# Altium PCB rf_detector.PcbDoc (part 1 of 3)
Units mm, origin at the board's own origin, x right, y up, seen from the top; angles counter-clockwise.
Board outline 79.5 x 159.5 mm, 4 copper layers (Top Layer, GND, Inner Layer 2, Bottom Layer), stack 1.546 mm thick; 329 components, 231 nets, 937 pads, 642 vias.
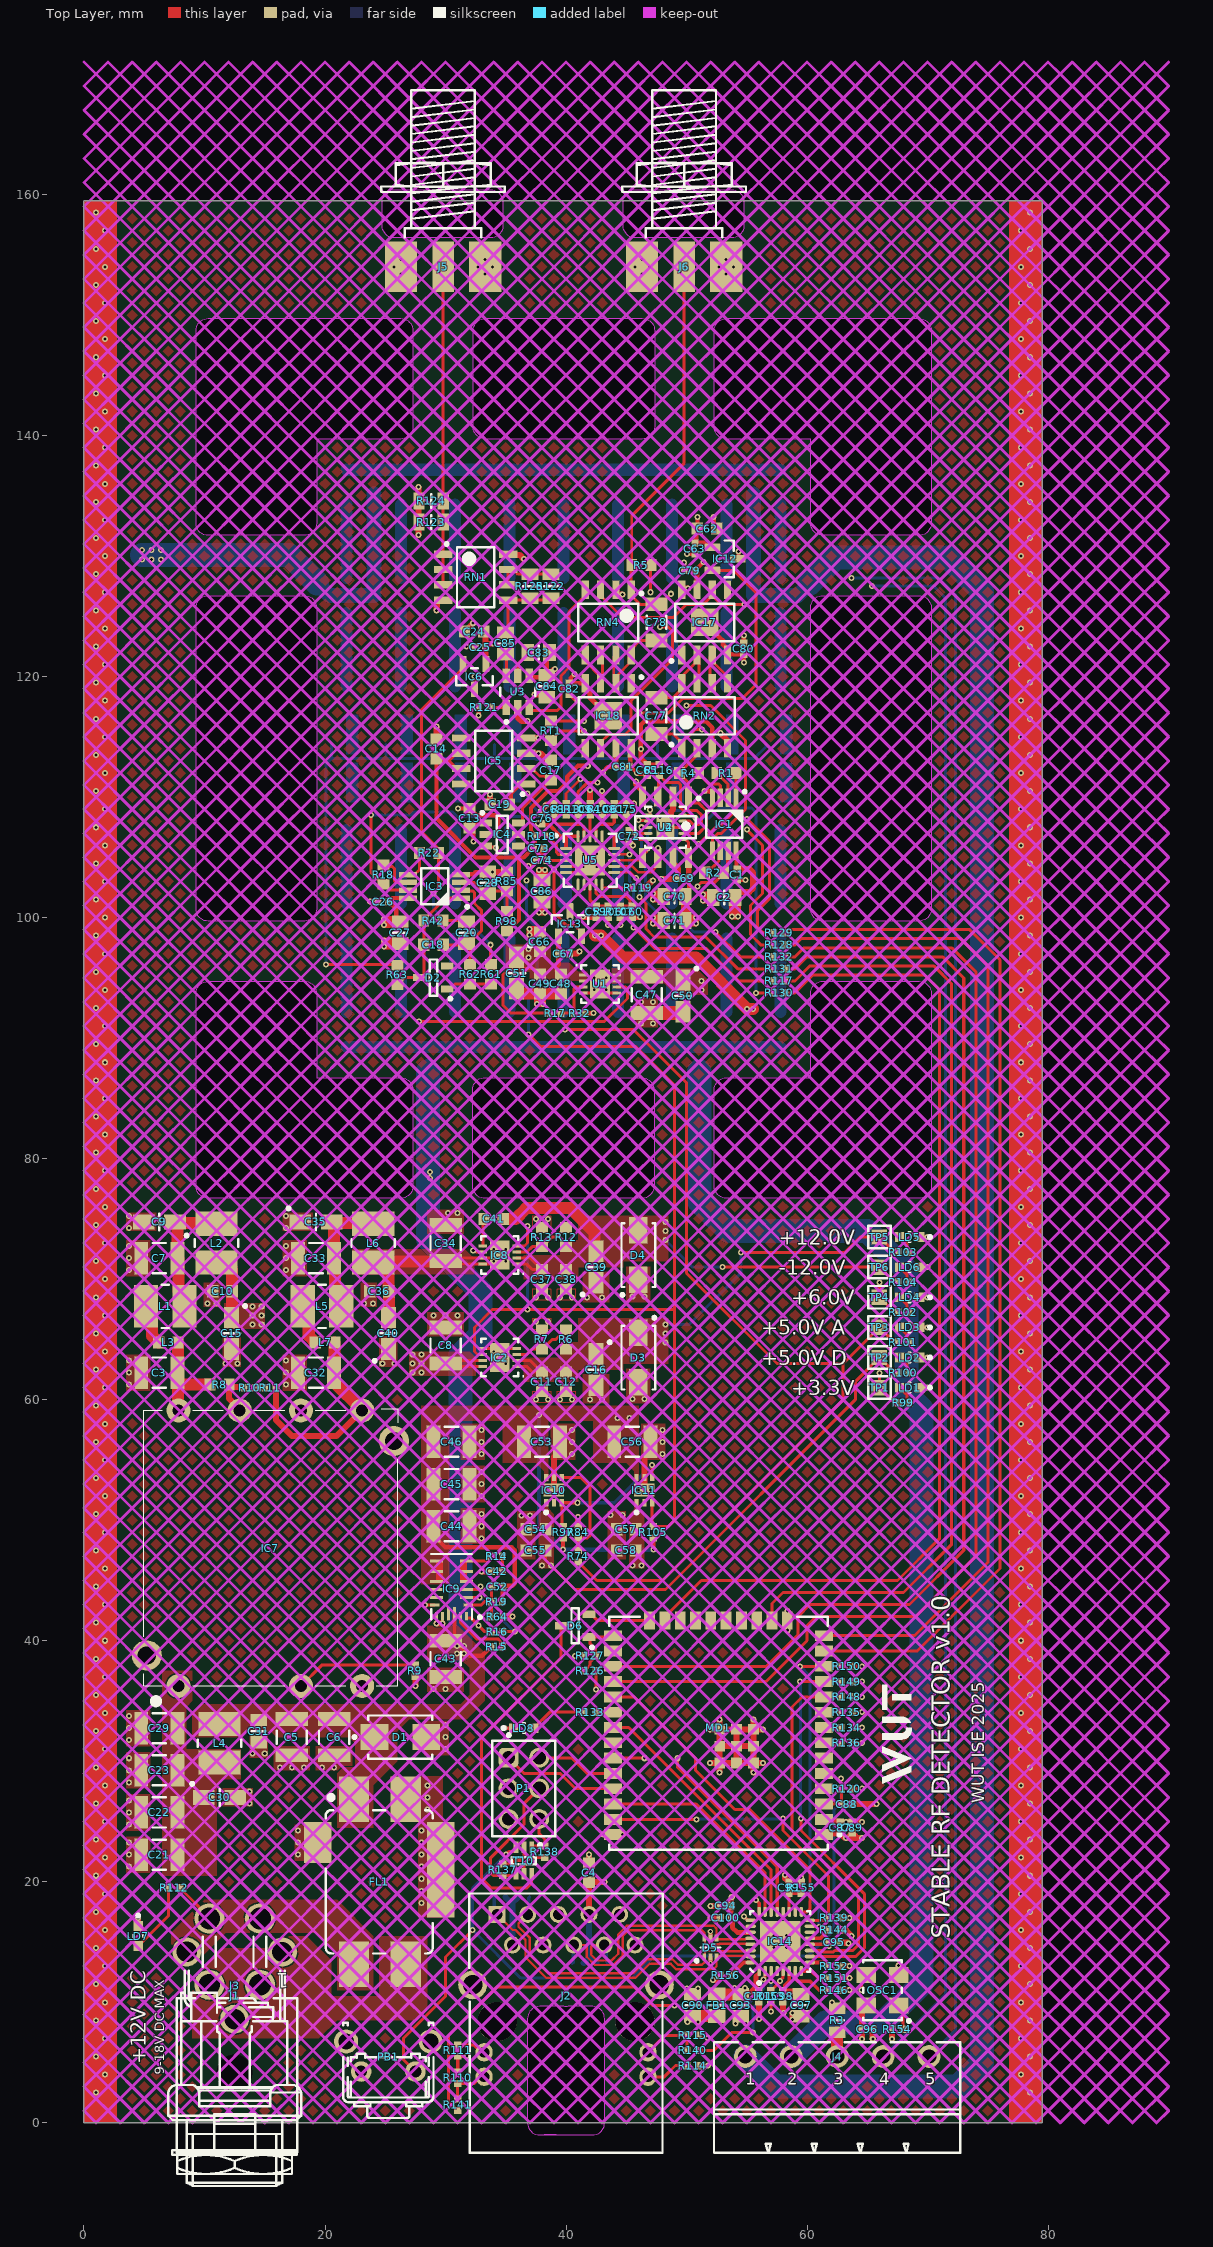
[diagram p0: Top Layer view]
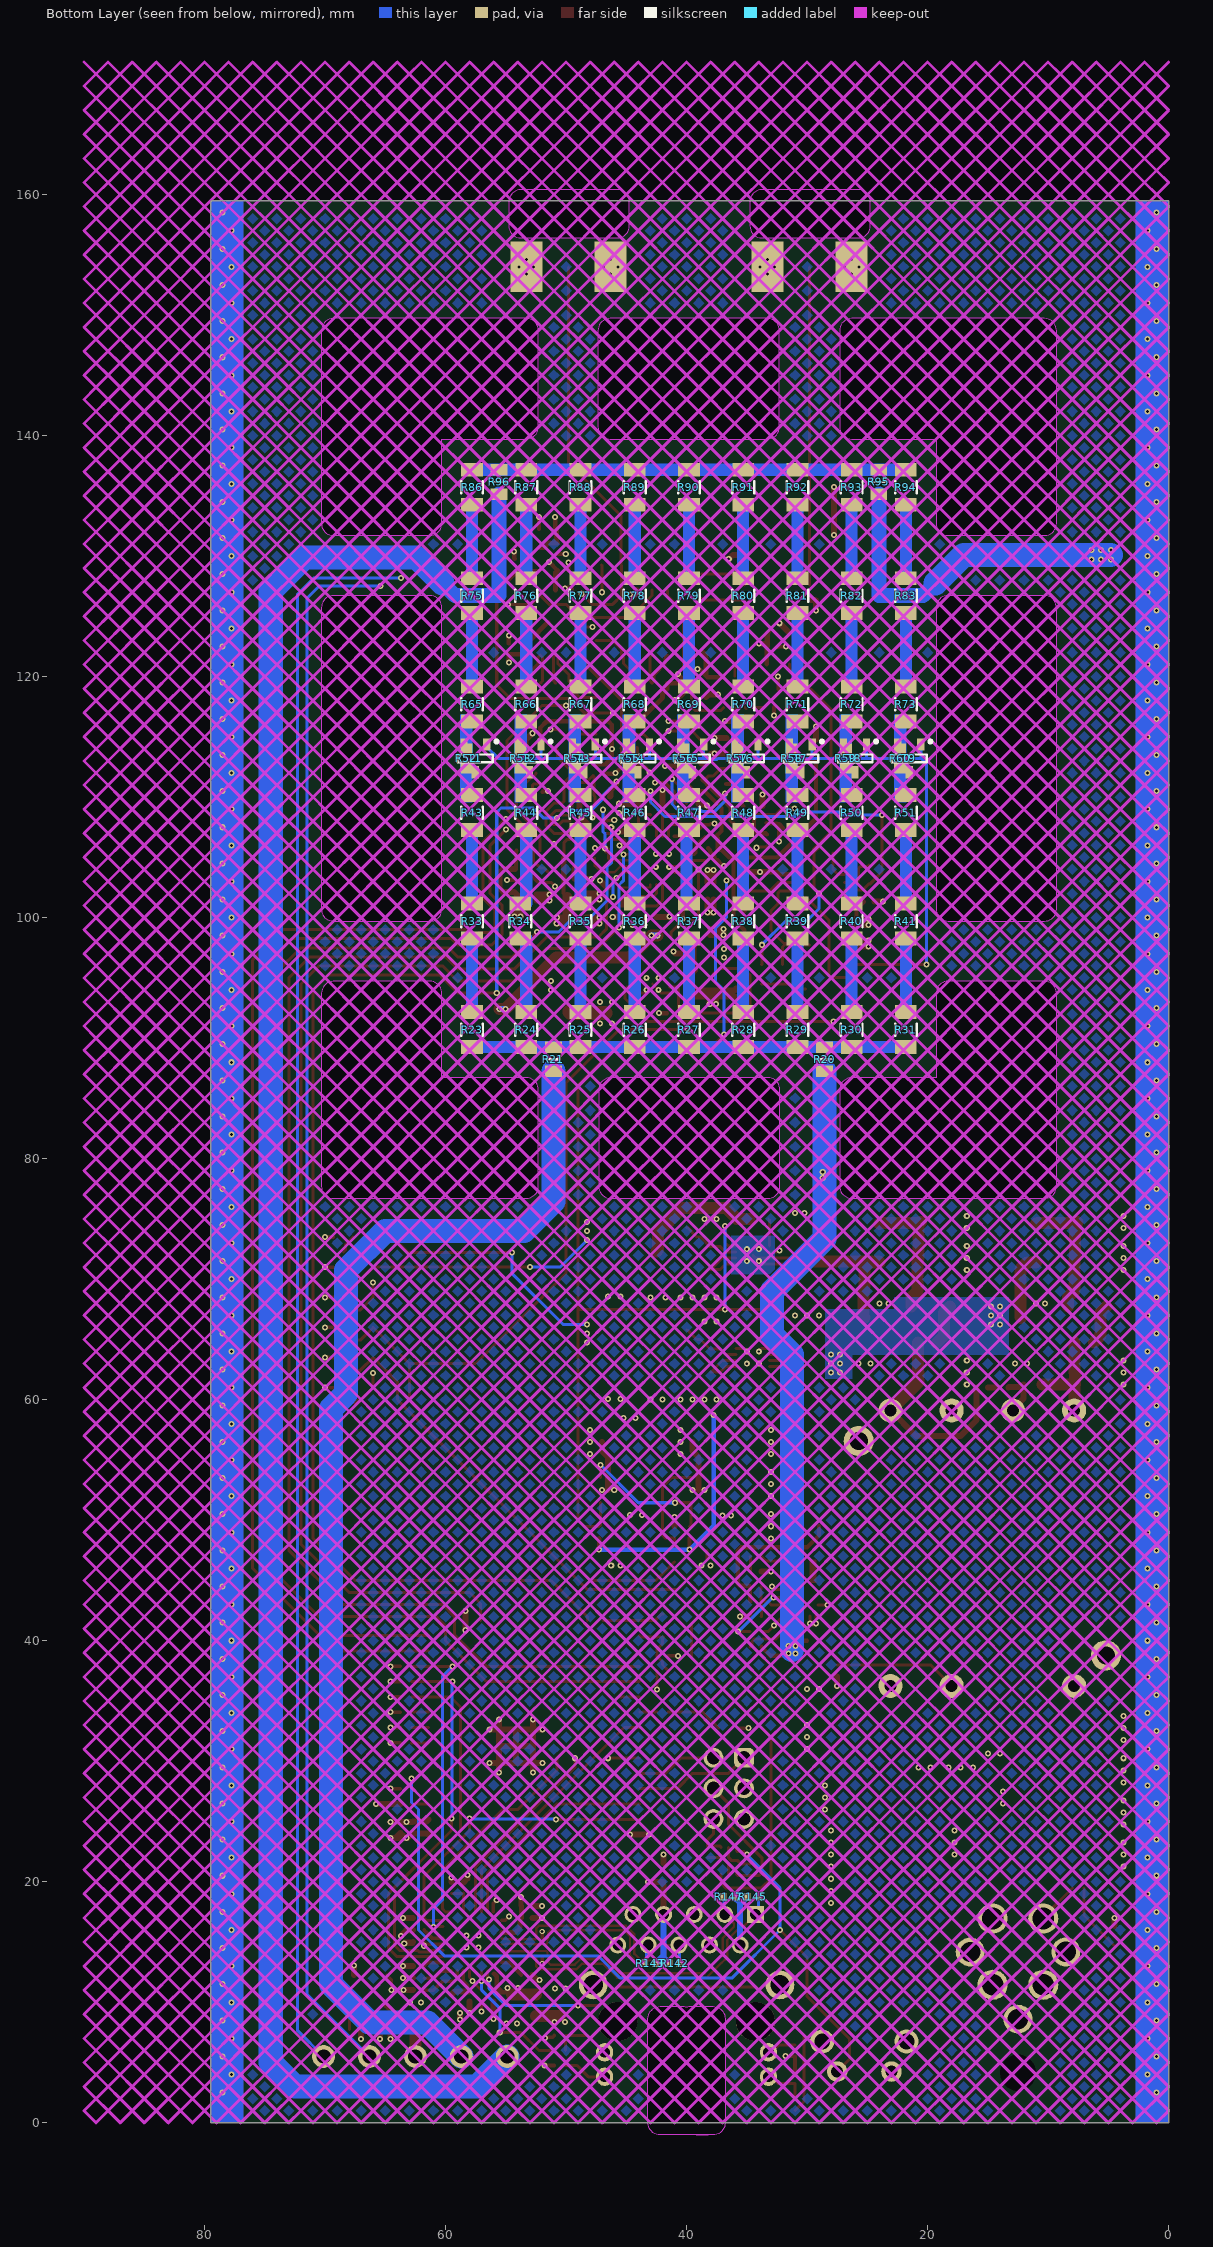
[diagram p1: Bottom Layer view, seen from below]
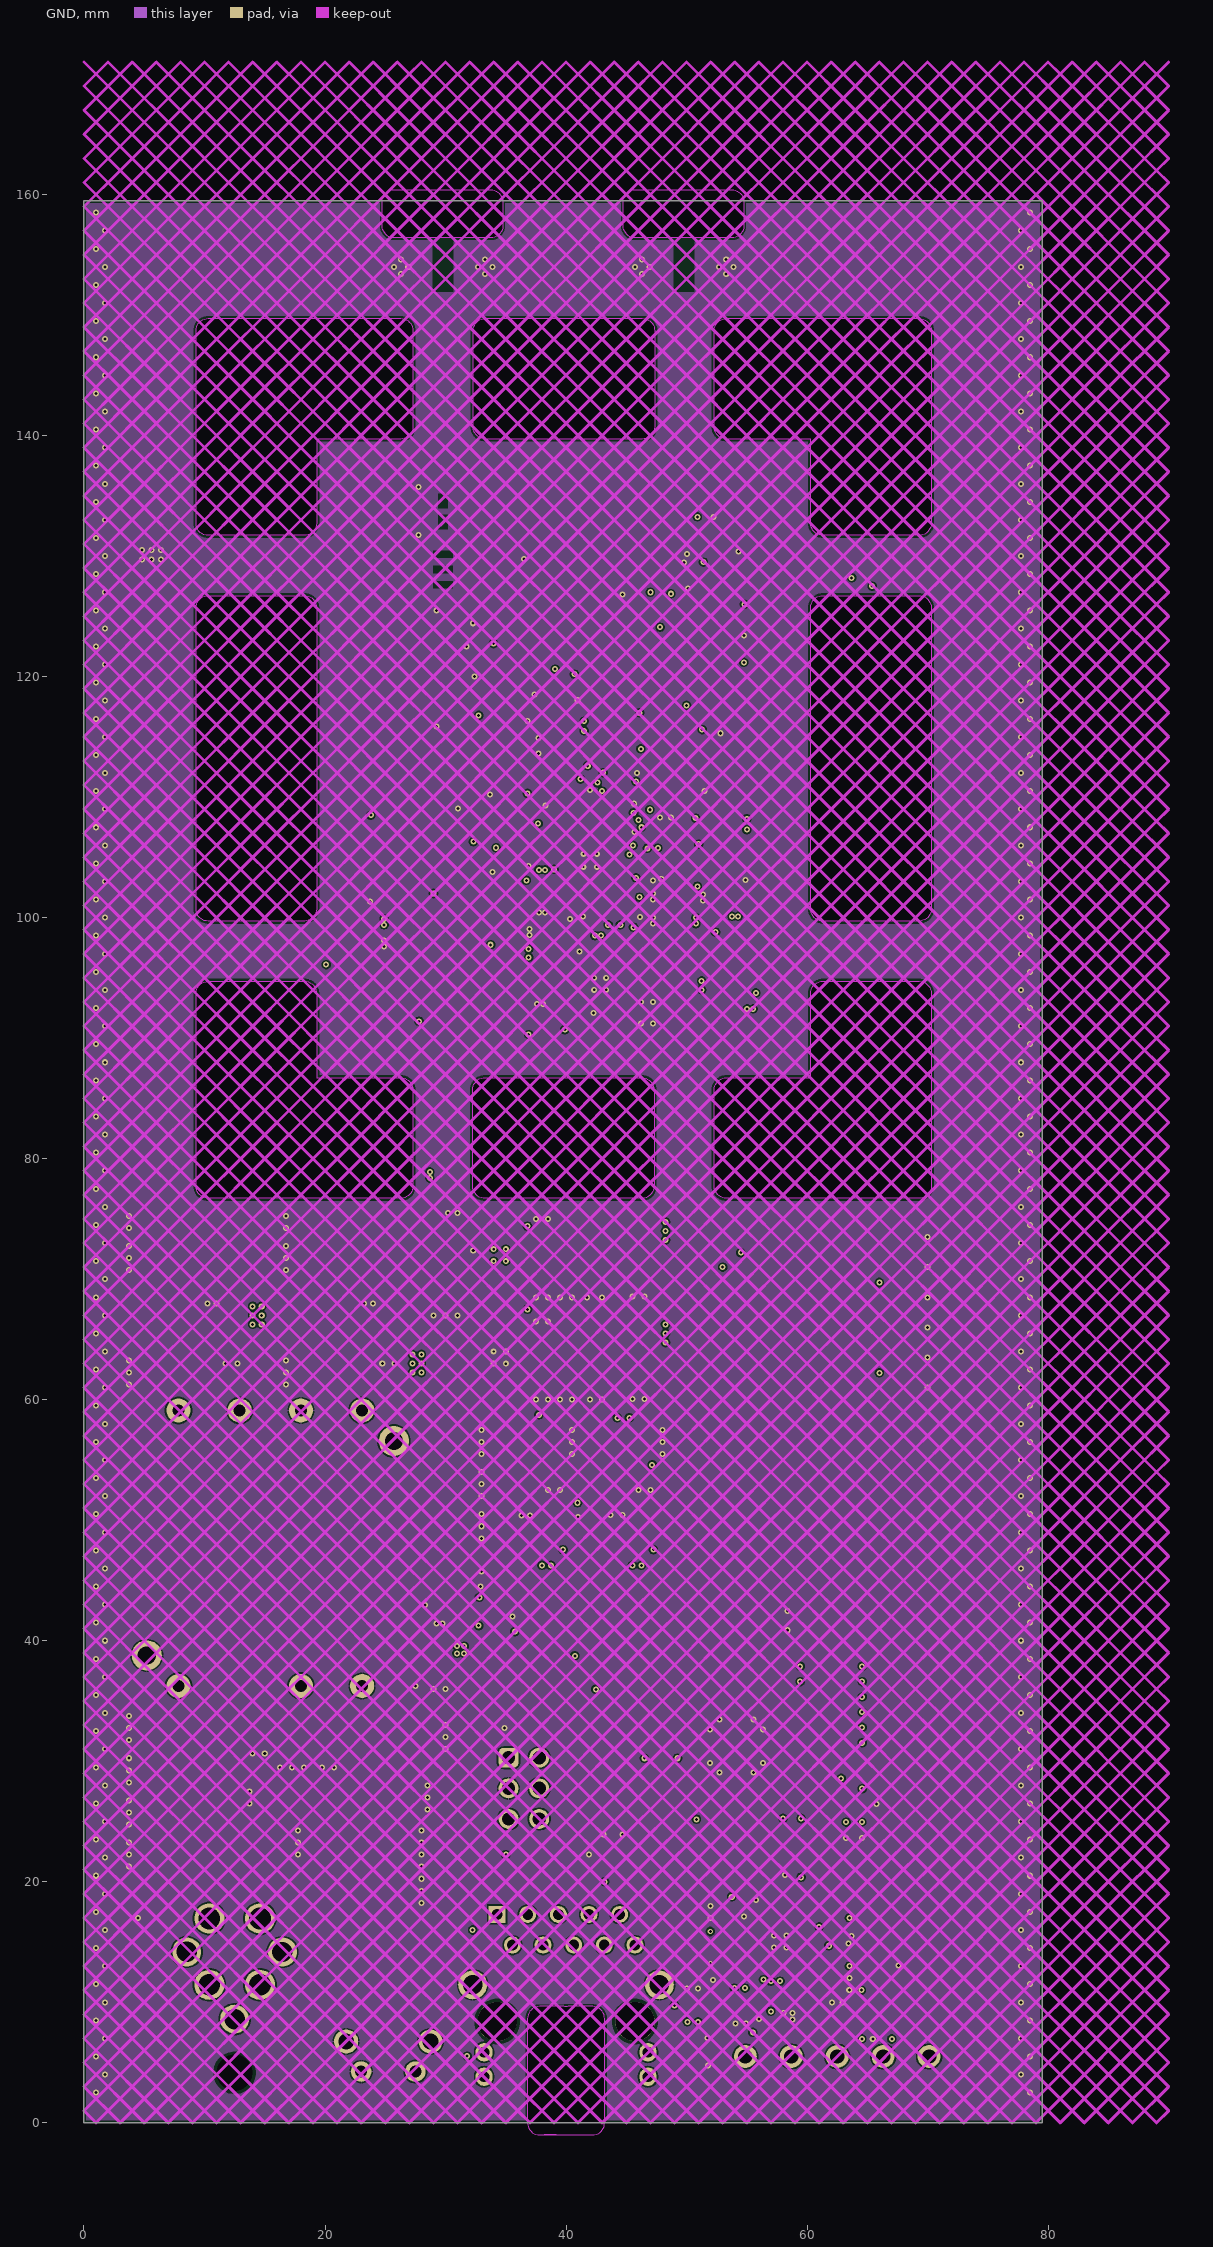
[diagram p2: GND]
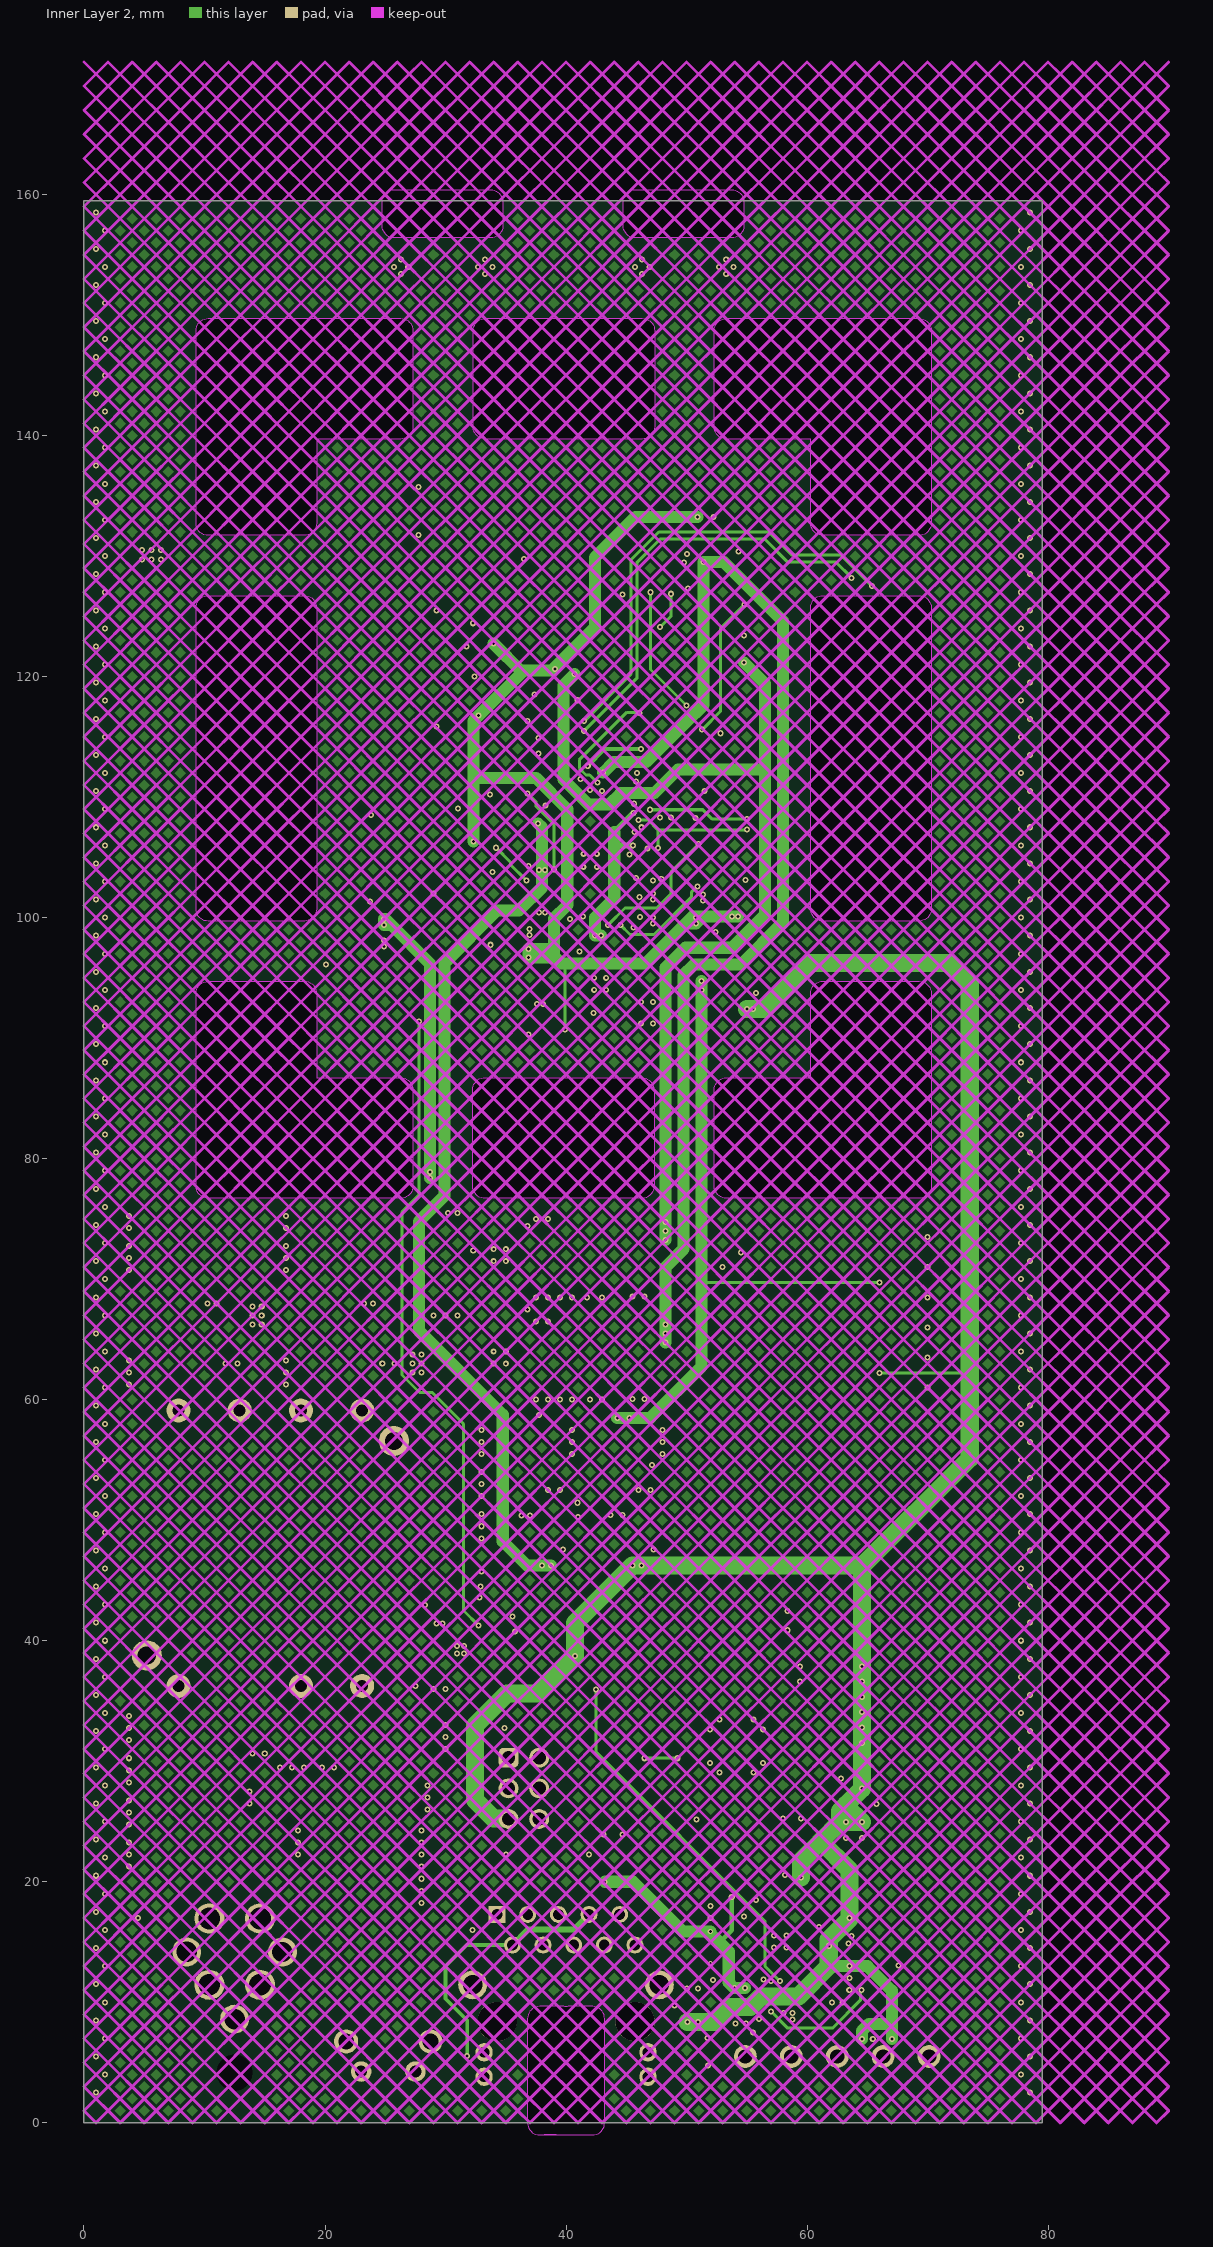
[diagram p3: Inner Layer 2]
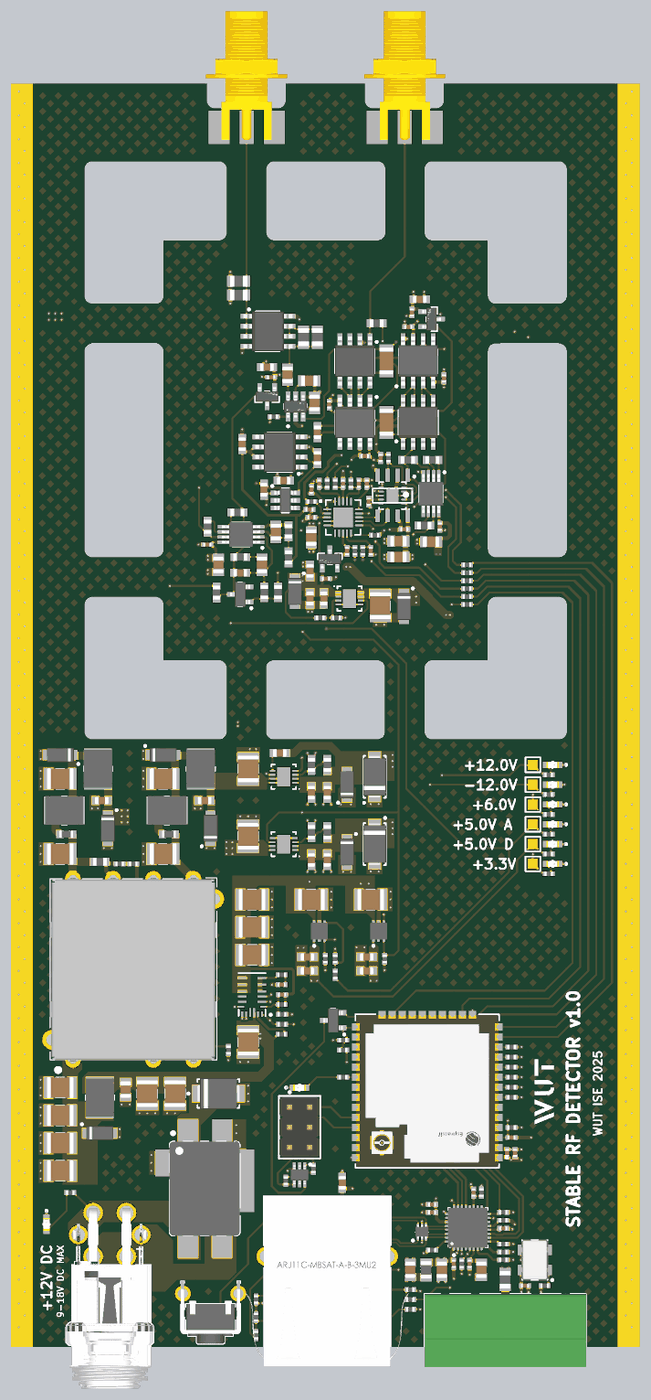
[diagram p6: 3D render of the assembled board from above, using the file's embedded part models]
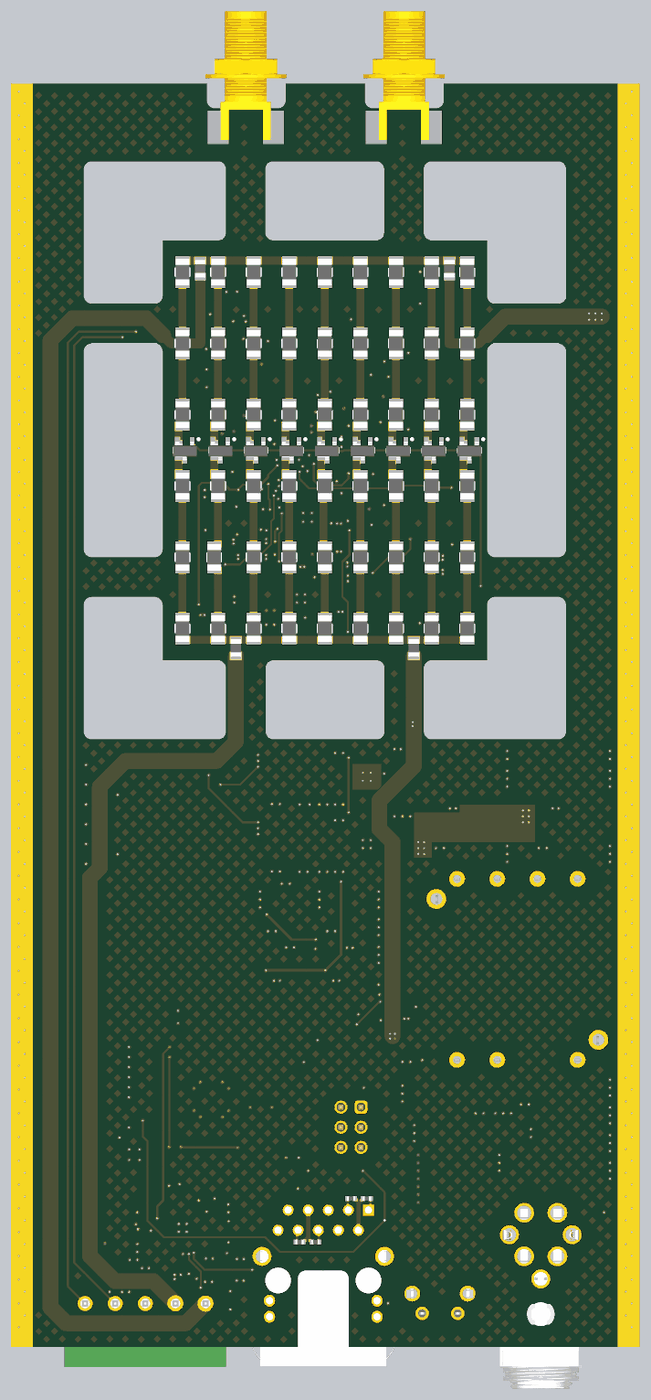
[diagram p7: 3D render of the assembled board from below, using the file's embedded part models]

## Layer stack, top to bottom
Top Solder: solder mask 0.0152, Solder Resist, Dk 3.8
Top Layer: signal copper 0.035
Dielectric 1: prepreg 0.138, PP-006, Dk 4.4
GND: signal copper 0.035
Core: dielectric 1.13, FR-4, Dk 4.6
Inner Layer 2: signal copper 0.035
Dielectric 3: prepreg 0.138, PP-006, Dk 4.4
Bottom Layer: signal copper 0.035
Bottom Solder: solder mask 0.0152, Solder Resist, Dk 3.8

## Board outline
0,0 0,159.5 79.5,159.5 79.5,0
cut-out: 9.853,99.82 cw(c10.3,100.715) 9.3,100.715 9.3,125.715 cw(c10.3,125.715) 10.3,126.715 18.3,126.715 cw(c18.3,125.715) 19.3,125.715 19.3,100.715 cw(c18.3,100.715) 18.3,99.715 10.3,99.715 cw(c10.3,100.715)
cut-out: 9.3,132.715 9.3,148.715 cw(c10.3,148.715) 10.303,149.715 16.302,149.715 26.3,149.715 cw(c26.3,148.715) 27.3,148.715 27.3,140.715 cw(c26.3,140.715) 26.3,139.715 19.3,139.715 19.3,132.715 cw(c18.3,132.715) 18.3,131.715 10.3,131.715 cw(c10.3,132.715)
cut-out: 32.3,140.715 32.3,142.717 32.3,146.714 32.3,148.715 cw(c33.3,148.715) 33.3,149.715 46.3,149.715 46.325,149.715 cw(c46.35,148.715) 47.35,148.715 47.35,140.715 cw(c46.35,140.715) 46.325,139.715 46.3,139.715 33.3,139.715 cw(c33.3,140.715)
cut-out: 36.8,0 ccw(c37.8,0) 37.8,-1 38.197,-1 38.798,-1 39.2,-1 38.2,-1 40.798,-1 42.2,-1 ccw(c42.2,0) 43.2,0 43.2,8.65 ccw(c42.2,8.65) 42.198,9.65 40.2,9.65 ccw(c40.2,8.65) 40,9.63 ccw(c39.8,8.65) 39.8,9.65 37.8,9.65 ccw(c37.8,8.65) 36.8,8.65
cut-out: 33.275,76.715 cw(c33.25,77.715) 32.25,77.715 32.25,85.715 cw(c33.25,85.715) 33.275,86.715 33.3,86.715 46.3,86.715 cw(c46.3,85.715) 47.3,85.715 47.3,77.715 cw(c46.3,77.715) 46.3,76.715
cut-out: 60.853,99.82 cw(c61.3,100.715) 60.3,100.715 60.3,125.715 cw(c61.3,125.715) 61.3,126.715 69.3,126.715 cw(c69.3,125.715) 70.3,125.715 70.3,100.715 cw(c69.3,100.715) 69.3,99.715 61.3,99.715 cw(c61.3,100.715)
cut-out: 60.853,99.82 cw(c61.3,100.715) 60.3,100.715 60.3,125.715 cw(c61.3,125.715) 61.3,126.715 69.3,126.715 cw(c69.3,125.715) 70.3,125.715 70.3,100.715 cw(c69.3,100.715) 69.3,99.715 61.3,99.715 cw(c61.3,100.715)
cut-out: 52.3,77.715 52.3,85.715 cw(c53.3,85.715) 53.3,86.715 60.3,86.715 60.3,93.715 cw(c61.3,93.715) 61.3,94.715 69.3,94.715 cw(c69.3,93.715) 70.3,93.715 70.3,77.715 cw(c69.3,77.715) 69.298,76.715 63.298,76.715 53.3,76.715 cw(c53.3,77.715)
cut-out: 9.3,77.717 9.3,83.717 9.3,93.715 cw(c10.3,93.715) 10.3,94.715 18.3,94.715 cw(c18.3,93.715) 19.3,93.715 19.3,86.715 26.3,86.715 cw(c26.3,85.715) 27.3,85.715 27.3,77.715 cw(c26.3,77.715) 26.3,76.715 10.3,76.715 cw(c10.3,77.715)
cut-out: 44.75,157.4 44.75,159.4 cw(c45.75,159.4) 45.75,160.4 53.75,160.4 cw(c53.75,159.4) 54.75,159.4 54.75,157.4 cw(c53.75,157.4) 53.75,156.4 45.75,156.4 cw(c45.75,157.4)
cut-out: 25.75,156.4 cw(c25.75,157.4) 24.75,157.4 24.75,159.4 cw(c25.75,159.4) 25.75,160.4 33.75,160.4 cw(c33.75,159.4) 34.75,159.4 34.75,157.4 cw(c33.75,157.4) 33.75,156.4
cut-out: 53.3,139.715 cw(c53.3,140.715) 52.3,140.715 52.3,148.715 cw(c53.3,148.715) 53.3,149.715 69.3,149.715 cw(c69.3,148.715) 70.3,148.715 70.3,142.713 70.3,132.715 cw(c69.3,132.715) 69.3,131.715 61.3,131.715 cw(c61.3,132.715) 60.3,132.715 60.3,139.715

## Design rules (kind name [scope] priority, off if disabled: settings)
BoardOutlineClearance [not OnTopSilkscreen and not OnBottomSilkscreen] p1: gap=0.2 ignorepadtopadclearanceinfootprint=FALSE
Clearance Clearance_balancing [InNamedPolygon('balancing')] p1: gap=0.21 ignorepadtopadclearanceinfootprint=FALSE except(0.25: Arc-Fill Arc-Poly Arc-Region Track-Fill Track-Poly Track-Region; 0.5: Via-Fill Via-Poly Via-Region; 1.5: SMDPad-Fill SMDPad-Poly SMDPad-Region THPad-Fill THPad-Poly THPad-Region)
Clearance Clearance_ViaInPadThermal [IsPad and InNet('GND') vs IsVia] p2: gap=0 ignorepadtopadclearanceinfootprint=FALSE except(-1: SMDPad-Via THPad-Via)
Clearance Clearance_ViaInPad [IsPad vs IsVia] p3: gap=0 ignorepadtopadclearanceinfootprint=FALSE
Clearance Clearance_DiffPairs [(InDifferentialPairClass('All Differential Pairs'))] p4: gap=0.127 ignorepadtopadclearanceinfootprint=FALSE except(0.12: Arc-Arc Arc-Track Track-Track; 0.25: Arc-Hole Track-Hole SMDPad-Hole THPad-Hole Via-Hole Fill-Hole Poly-Hole Region-Hole Text-Hole; 0.5: Arc-Fill Arc-Poly Arc-Region Track-Fill Track-Poly Track-Region)
Clearance [All] p5: gap=0.127 ignorepadtopadclearanceinfootprint=FALSE except(0.12: Arc-Arc Arc-Track Track-Track; 0.25: Arc-Hole Track-Hole SMDPad-Hole THPad-Hole Via-Hole Fill-Hole Poly-Hole Region-Hole Text-Hole)
DiffPairsRouting DiffPairsRouting_LVDS [InNetClass('LVDS')] p1 off: maxlimit=0.254 minlimit=0.15 mostfreqgap=0.254 toplayer_mingap=0.18 toplayer_maxgap=0.18 toplayer_prefgap=0.18 toplayer_minwidth=0.19 toplayer_maxwidth=0.19 toplayer_prefwidth=0.19 bottomlayer_mingap=0.18 bottomlayer_maxgap=0.18 bottomlayer_prefgap=0.18 bottomlayer_minwidth=0.19 bottomlayer_maxwidth=0.19 bottomlayer_prefwidth=0.19 impedanceprofiledriven=TRUE impedanceprofileid={9262DCC5-21B2-42F0-AE62-9C07079FD9D1} impedanceprofilevalue=100.000000 maxuncoupledlength=12.7
DiffPairsRouting DiffPairsRouting_Ethernet [InNetClass('Ethernet')] p2: maxlimit=0.254 minlimit=0.15 mostfreqgap=0.254 toplayer_mingap=0.18 toplayer_maxgap=0.18 toplayer_prefgap=0.18 toplayer_minwidth=0.19 toplayer_maxwidth=0.19 toplayer_prefwidth=0.19 bottomlayer_mingap=0.18 bottomlayer_maxgap=0.18 bottomlayer_prefgap=0.18 bottomlayer_minwidth=0.19 bottomlayer_maxwidth=0.19 bottomlayer_prefwidth=0.19 impedanceprofiledriven=TRUE impedanceprofileid={9262DCC5-21B2-42F0-AE62-9C07079FD9D1} impedanceprofilevalue=100.000000 maxuncoupledlength=12.7
DiffPairsRouting DiffPairsRouting_USB [InDifferentialPairClass('USB')] p3 off: maxlimit=0.254 minlimit=0.12 mostfreqgap=0.254 toplayer_mingap=0.165 toplayer_maxgap=0.165 toplayer_prefgap=0.165 toplayer_minwidth=0.23 toplayer_maxwidth=0.23 toplayer_prefwidth=0.23 bottomlayer_mingap=0.165 bottomlayer_maxgap=0.165 bottomlayer_prefgap=0.165 bottomlayer_minwidth=0.23 bottomlayer_maxwidth=0.23 bottomlayer_prefwidth=0.23 impedanceprofiledriven=TRUE impedanceprofileid={8D4277C8-22E8-44B8-81B9-C39E21E3F32A} impedanceprofilevalue=90.000000 maxuncoupledlength=12.7
Height [All] p1: minheight=0 maxheight=1816.048 prefheight=12.7
HoleSize [All] p1: absolutevalues=TRUE maxlimit=6.3 minlimit=0.2 maxpercent=80.000 minpercent=20.000
HoleToHoleClearance [All] p1: gap=0.25 allowstackedmicrovias=FALSE
MinimumAnnularRing [All] p1: minimumring=0.076
MinimumSolderMaskSliver [All] p1: minsoldermaskwidth=0
PlaneClearance [All] p1: clearance=0.102
PlaneConnect PlaneConnectPowerPads [InPadClass('PowerPads')] p1: planeconnectstyle=Direct reliefexpansion=0.508 reliefentries=4 reliefconductorwidth=0.254 reliefairgap=0.254
PlaneConnect [All] p2: pad.planeconnectstyle=Relief pad.reliefexpansion=0.3 pad.reliefentries=4 pad.reliefconductorwidth=0.102 pad.reliefairgap=0.102 via.planeconnectstyle=Direct via.reliefexpansion=0.3 via.reliefentries=4 via.reliefconductorwidth=0.127 via.reliefairgap=0.127
PolygonConnect PolygonConnectPowerPads [All vs (InPadClass('PowerPads'))] p1: connectstyle=Direct reliefconductorwidth=0.254 reliefentries=4 polygonreliefangle="90 Angle" airgapwidth=0.254
PolygonConnect [All] p2: thpad.connectstyle=Relief thpad.reliefconductorwidth=0.102 thpad.reliefentries=4 thpad.polygonreliefangle="90 Angle" thpad.airgapwidth=0.102 smdpad.connectstyle=Direct smdpad.reliefconductorwidth=0.102 smdpad.reliefentries=4 smdpad.polygonreliefangle="90 Angle" smdpad.airgapwidth=0.102 via.connectstyle=Direct via.reliefconductorwidth=0.127 via.reliefentries=4 via.polygonreliefangle="90 Angle" via.airgapwidth=0.127
RoutingVias "Schematic Routing Via Style" [InNetClass('Hpower')] p1: holewidth=0.5 width=0.7 viastyle="Through Hole" minholewidth=0.5 minwidth=0.7 maxholewidth=0.711 maxwidth=1.27
RoutingVias [All] p2: holewidth=0.25 width=0.5 viastyle="Through Hole" minholewidth=0.25 minwidth=0.5 maxholewidth=6.3 maxwidth=6.55
SilkToSilkClearance [All] p1: silktosilkclearance=0
SilkToSolderMaskClearance [IsPad] p1: minsilkscreentomaskgap=0.102 clearancetoexposedcopper=TRUE
SolderMaskExpansion [IsVia] p1: expansion=0.075 istentingtop=TRUE
SolderMaskExpansion SolderMaskExpansion_Via [All] p2: expansion=0.075 istentingtop=FALSE
Width "Schematic Width Constraint" [InNetClass('Hpower')] p1: maxlimit=1.27 minlimit=0.381 preferedwidth=0.508
Width [All] p2: maxlimit=1816.048 minlimit=0.152 preferedwidth=0.254
21 further rules are at their usual default settings.
